# Altium PCB Shuttler_AFE.PcbDoc (part 5 of 5) (continued)
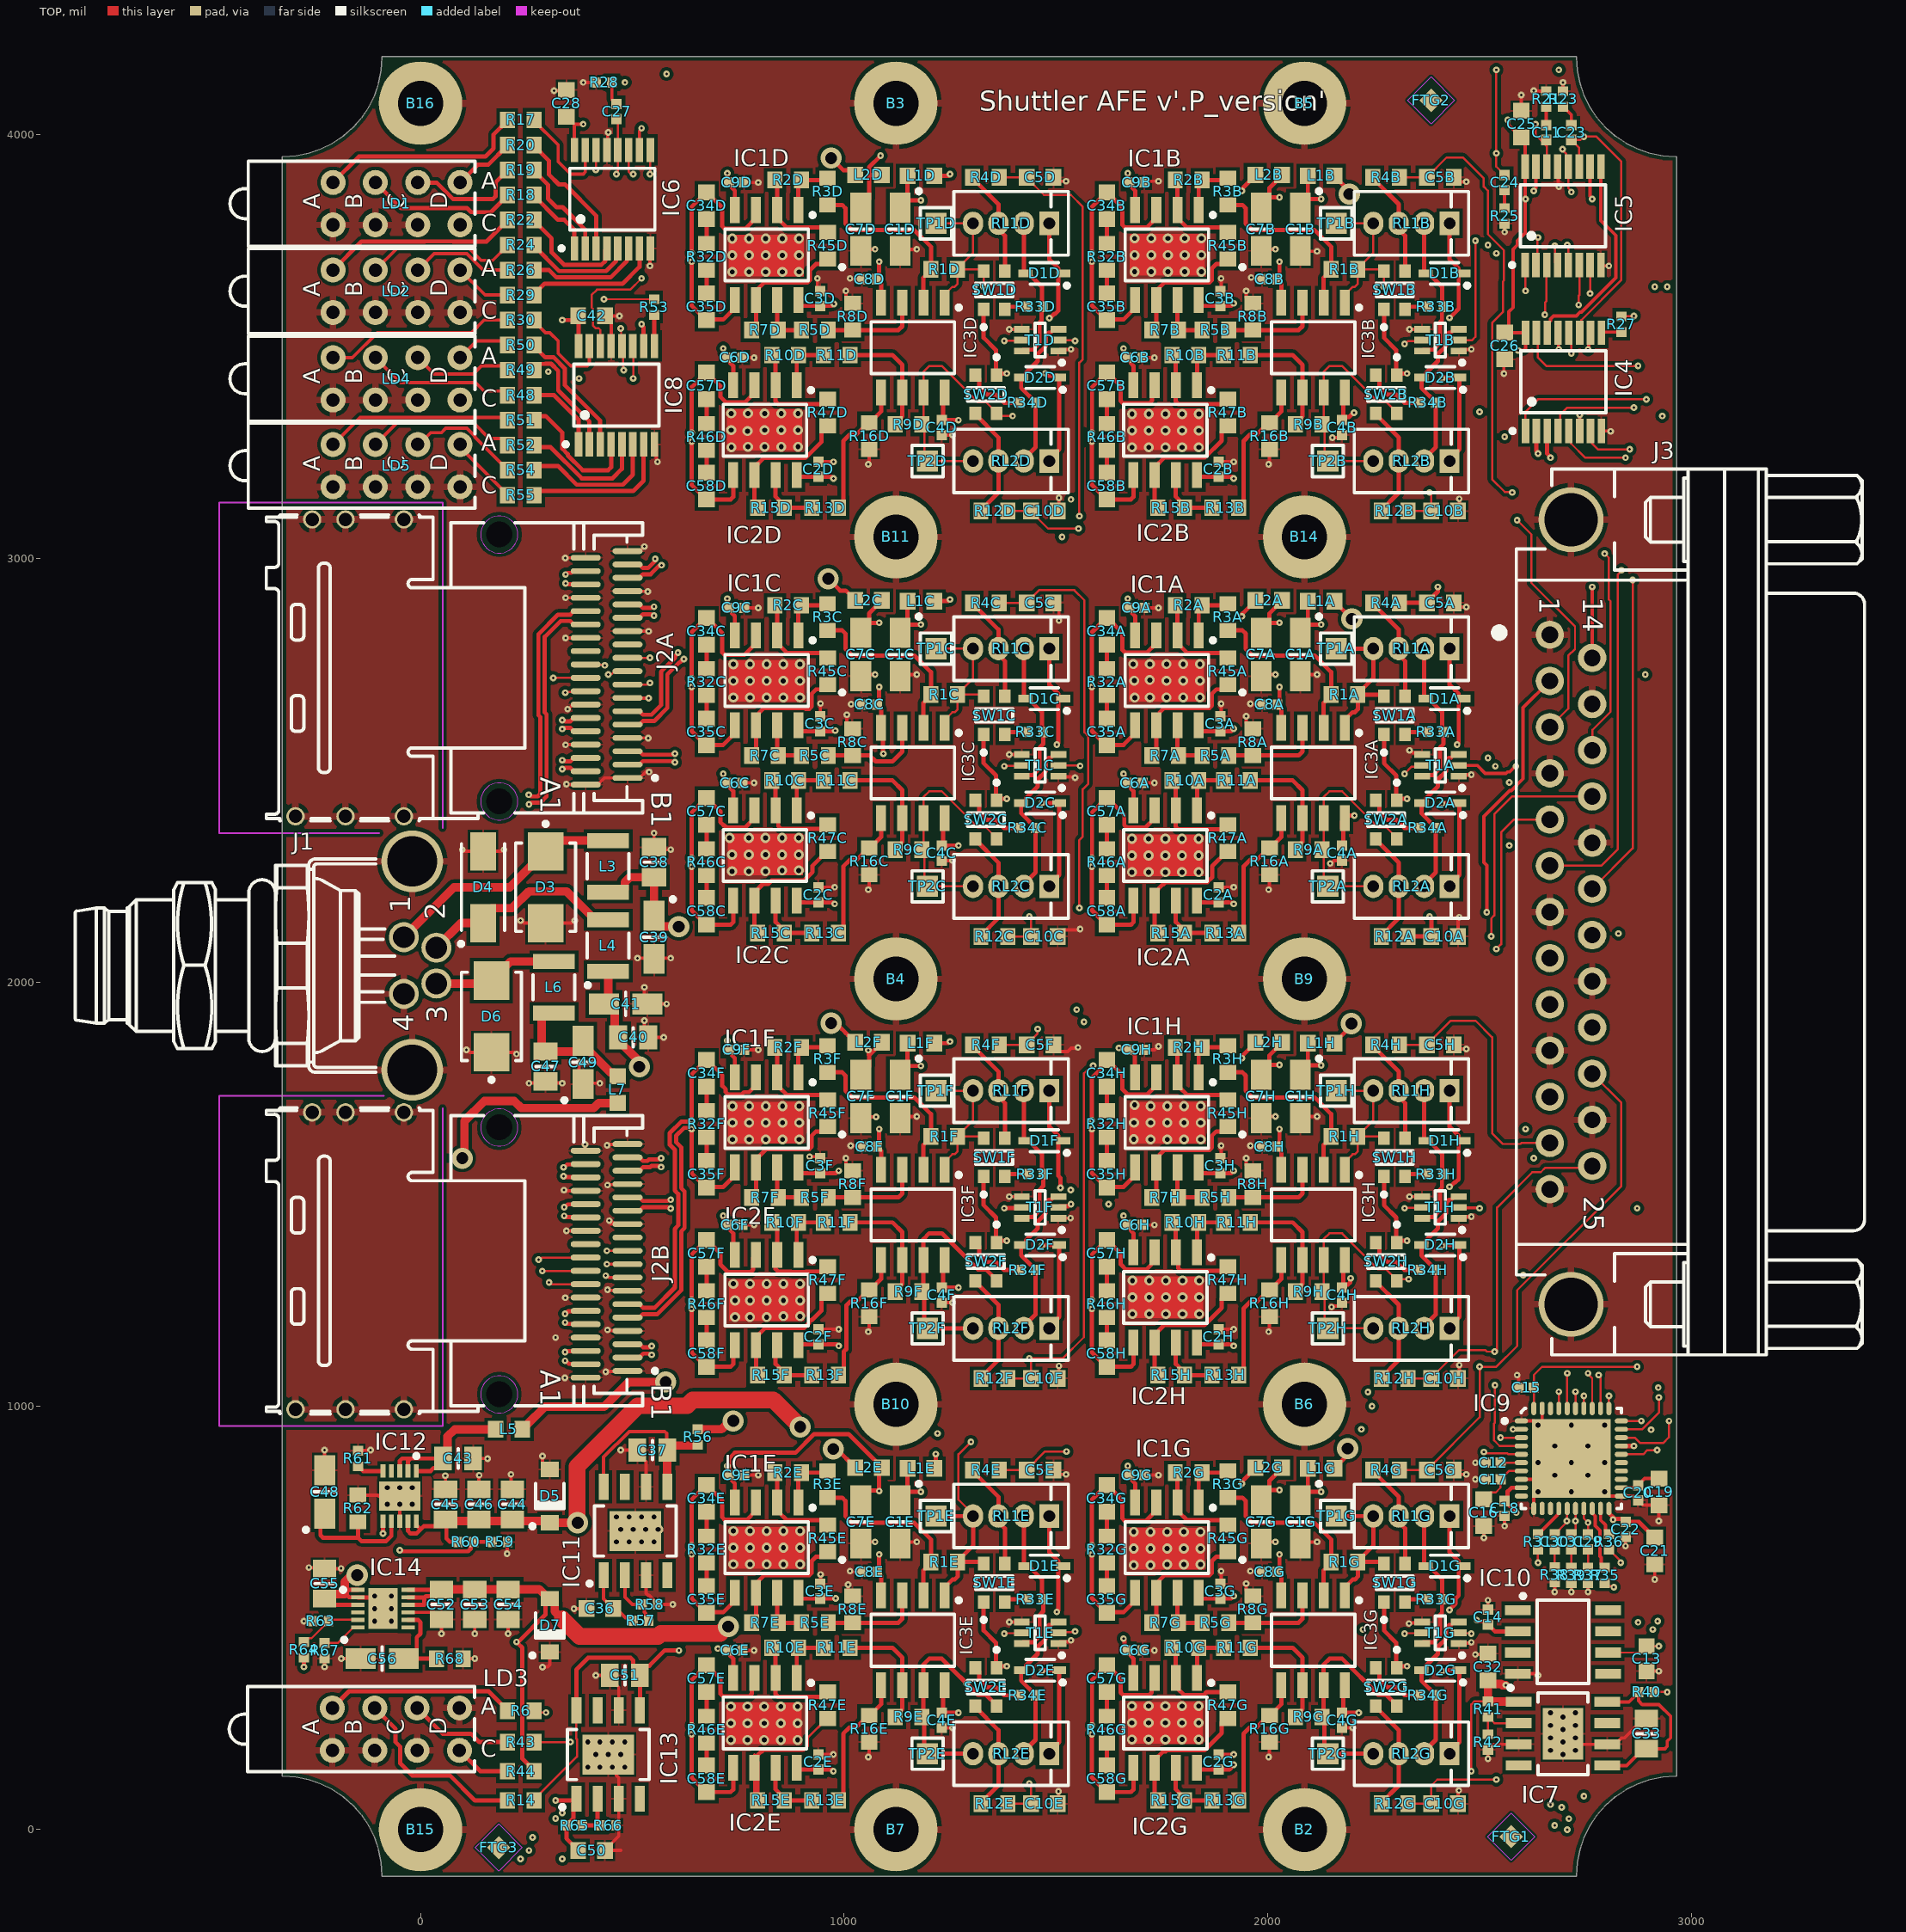
[diagram p0: TOP view]
## Nets (pads, with @x,y where several pads share a name; then routed paths per layer and width w, separated by ;. In a path a pad name is that pad's centre, name@x,y a point inside that pad or via, vN(x,y) a via of type N, cw(c..) or ccw(c..) an arc to the next point about the centre after c; other vN are vias at no path point) (continued)
P12V0_CHC: C1C.1 C2C.1 C3C.1 C4C.1 IC1C.8 IC2C.8 IC3C.8 L1C.1 | length 2013
  TOP w10: IC2C.8@887.99,2192.91 891.92,2188.98 C2C.1@938.97,2188.98 971.95,2188.98 975.89,2185.04 v1(977.44,2185.04) ; IC1C.8@891.92,2606.3 891.92,2599.33 898.74,2592.52 975.92,2592.52 977.34,2593.94 v1(978.9,2593.94) ; C1C.1@1131.88,2824.8 1131.88,2824.88 C1C.1@1149.6,2842.6 ; L1C.1@1149.6,2899.61 C1C.1@1149.6,2842.6 ; v1(1181.1,2844.49) 1151.49,2844.49 C1C.1@1149.6,2842.6 ; IC3C.8@1237.01,2387.8 1233.66,2384.45 1233.66,2326.18 C4C.1@1230.32,2322.83 v1(1269.69,2322.83)
  L2 w10: v1(977.44,2185.04) 995.64,2203.23 995.64,2206.27 1009.84,2220.47 1009.84,2354.33 1206.69,2551.18 1206.69,2728.35 1181.1,2753.94 1181.1,2781.5 ; v1(978.9,2593.94) 1002.28,2593.94 1006.77,2598.43 1033.46,2598.43 1137.8,2702.76 1137.8,2775.64 1143.65,2781.5 1181.1,2781.5 ; v1(1181.1,2844.49) 1181.1,2785.43 1181.1,2781.5 ; v1(1269.69,2322.83) 1269.69,2724.41 1212.6,2781.5 1181.1,2781.5
P12V0_CHD: C1D.1 C2D.1 C3D.1 C4D.1 IC1D.8 IC2D.8 IC3D.8 L1D.1 | length 2008.2
  TOP w10: IC2D.8@887.99,3196.85 891.92,3192.91 C2D.1@938.97,3192.91 970.47,3192.91 974.41,3188.98 v1(974.91,3188.98) ; IC1D.8@891.92,3610.24 891.92,3603.27 898.74,3596.46 C3D.1@942.91,3596.46 969.86,3596.46 974.31,3600.91 v1(975.87,3600.91) ; C1D.1@1131.88,3828.74 1131.88,3828.82 C1D.1@1149.6,3846.54 ; L1D.1@1149.6,3903.54 C1D.1@1149.6,3846.54 ; v1(1181.1,3845.39) 1150.74,3845.39 C1D.1@1149.6,3846.54 ; IC3D.8@1237.01,3391.73 1233.66,3388.39 1233.66,3330.12 C4D.1@1230.32,3326.77 v1(1269.69,3326.77)
  L2 w10: v1(974.91,3188.98) 974.91,3189.47 1009.84,3224.41 1009.84,3358.27 1206.69,3555.12 1206.69,3732.28 1181.1,3757.87 1181.1,3785.43 ; v1(975.87,3600.91) 1032.01,3600.91 1137.8,3706.69 1137.8,3779.58 1143.65,3785.43 1181.1,3785.43 ; v1(1181.1,3845.39) 1181.1,3785.43 ; v1(1269.69,3326.77) 1269.69,3728.35 1212.6,3785.43 1181.1,3785.43
P12V0_CHE: C1E.1 C2E.1 C3E.1 C4E.1 IC1E.8 IC2E.8 IC3E.8 L1E.1 | length 2007.7
  TOP w10: IC2E.8@887.99,145.67 891.92,141.73 C2E.1@938.97,141.73 970.47,141.73 v1(974.41,137.8) ; IC1E.8@891.92,559.06 891.92,552.09 898.74,545.28 979.23,545.28 v1(979.77,545.82) ; C1E.1@1131.88,777.56 1131.88,777.64 C1E.1@1149.6,795.35 ; L1E.1@1149.6,852.36 C1E.1@1149.6,795.35 ; v1(1181.1,797.19) 1151.44,797.19 C1E.1@1149.6,795.35 ; IC3E.8@1237.01,340.55 1233.66,337.2 1233.66,278.94 C4E.1@1230.32,275.59 v1(1269.69,275.59)
  L2 w10: v1(974.41,137.8) 1009.84,173.23 1009.84,307.09 1206.69,503.94 1206.69,681.1 1181.1,706.69 1181.1,734.25 ; v1(979.77,545.82) 980.14,546.18 1002.65,546.18 1007.65,551.18 1033.46,551.18 1137.8,655.51 1137.8,728.39 1143.65,734.25 1181.1,734.25 ; v1(1181.1,797.19) 1181.1,734.25 ; v1(1269.69,275.59) 1269.69,671.3 1206.73,734.25 1181.1,734.25
P12V0_CHF: C1F.1 C2F.1 C3F.1 C4F.1 IC1F.8 IC2F.8 IC3F.8 L1F.1 | length 2020.2
  TOP w10: IC2F.8@891.92,1145.67 981.79,1145.67 985.73,1141.73 v1(987.28,1141.73) ; IC1F.8@891.92,1562.99 891.92,1556.02 898.74,1549.21 979.82,1549.21 985.73,1555.12 v1(987.28,1555.12) ; C1F.1@1131.88,1781.5 1131.88,1781.57 1149.6,1799.29 1149.6,1809.21 L1F.1@1149.6,1856.3 ; C1F.1@1149.6,1810.04 1149.6,1804.45 1151.49,1802.56 v1(1181.1,1802.56) ; IC3F.8@1237.01,1344.49 1233.66,1341.14 1233.66,1282.87 C4F.1@1230.32,1279.53 v1(1269.69,1279.53)
  L2 w10: v1(987.28,1141.73) 987.28,1143.29 1000.56,1156.56 1000.56,1167.88 1009.84,1177.17 1009.84,1311.02 1206.69,1507.87 1206.69,1685.04 1181.1,1710.63 1181.1,1738.19 ; v1(987.28,1555.12) 1033.46,1555.12 1137.8,1659.45 1137.8,1732.33 1143.65,1738.19 1181.1,1738.19 ; v1(1181.1,1802.56) 1181.1,1738.19 ; v1(1269.69,1279.53) 1269.69,1681.1 1212.6,1738.19 1181.1,1738.19
P12V0_CHG: C1G.1 C2G.1 C3G.1 C4G.1 IC1G.8 IC2G.8 IC3G.8 L1G.1 | length 2006.2
  TOP w10: IC2G.8@1832.87,145.67 1836.81,141.73 1909.5,141.73 1918.19,150.43 1918.19,152.07 v1(1919.29,153.17) ; IC1G.8@1836.81,559.06 1836.81,552.09 1843.62,545.28 C3G.1@1887.79,545.28 1913.39,545.28 v1(1919.29,551.18) ; C1G.1@2076.77,777.56 2076.77,777.64 C1G.1@2094.48,795.35 ; L1G.1@2094.48,852.36 C1G.1@2094.48,795.35 ; v1(2125.98,797.24) 2096.37,797.24 C1G.1@2094.48,795.35 ; IC3G.8@2181.89,340.55 2178.54,337.2 2178.54,278.94 C4G.1@2175.2,275.59 v1(2214.57,275.59)
  L2 w10: v1(1919.29,153.17) 1920.85,153.17 1933.83,166.16 1947.65,166.16 1954.72,173.23 1954.72,307.09 2151.57,503.94 2151.57,681.1 2125.98,706.69 2125.98,734.25 ; v1(1919.29,551.18) 1978.35,551.18 2082.68,655.51 2082.68,728.39 2088.54,734.25 2125.98,734.25 ; v1(2125.98,797.24) 2125.98,738.19 2125.98,734.25 ; v1(2214.57,275.59) 2158.66,331.5 2158.66,728.39 2152.8,734.25 2125.98,734.25
P12V0_CHH: C1H.1 C2H.1 C3H.1 C4H.1 IC1H.8 IC2H.8 IC3H.8 L1H.1 | length 1963.7
  TOP w10: IC2H.8@1832.87,1149.61 1836.81,1145.67 C2H.1@1883.85,1145.67 1915.35,1145.67 v1(1919.29,1141.73) ; IC1H.8@1836.81,1562.99 1836.81,1556.02 1843.62,1549.21 C3H.1@1887.79,1549.21 1913.39,1549.21 v1(1919.29,1555.12) ; C1H.1@2076.77,1781.5 2076.77,1781.57 C1H.1@2094.48,1799.29 ; L1H.1@2094.48,1856.3 C1H.1@2094.48,1799.29 ; v1(2125.98,1803.99) 2096.37,1803.99 2094.48,1802.1 C1H.1@2094.48,1799.29 ; C4H.1@2175.2,1279.53 2182.4,1286.73 2189.76,1286.73 2194.62,1291.59 2194.62,1300.31 v1(2195.72,1301.41) ; C4H.1@2178.54,1286.73 2178.54,1341.14 IC3H.8@2181.89,1344.49
  L2 w10: v1(1919.29,1141.73) 1954.72,1177.17 1954.72,1311.02 2151.57,1507.87 2151.57,1685.04 2125.98,1710.63 2125.98,1738.19 ; v1(1919.29,1555.12) 1978.35,1555.12 2082.68,1659.45 2082.68,1732.33 2088.54,1738.19 2125.98,1738.19 ; v1(2125.98,1803.99) 2125.98,1742.13 2125.98,1738.19 ; v1(2195.72,1301.41) 2195.72,1658.41 2156.06,1698.07 2156.06,1722.25 2140.13,1738.19 2125.98,1738.19
P13V0A: C14.1 C44.2 C45.2 C46.2 D5.1 IC10.2 IC12.9 IC12.10 L1A.2 L1B.2 L1C.2 L1D.2 L1E.2 L1F.2 L1G.2 L1H.2 R43.1 R60.2 | length 10690.4
  TOP w5: R43.1@267.72,206.69 v1(353.72,206.69)
  TOP w10: IC12.9@-29.53,728.35 -29.53,704.68 -23.67,698.82 -9.84,698.82 -0.94,707.72 ; IC12.10@-9.84,728.35 -9.84,718.5 -0.94,709.61 -0.94,707.72 ; C45.2@64.98,728.37 C45.2@61.06,724.45 ; R60.2@88.58,679.13 68.9,679.13 61.06,686.97 C45.2@61.06,724.45 ; L1E.2@1212.59,852.36 1216.35,856.12 v1(1216.35,886.43) ; L1F.2@1212.59,1856.3 1246.06,1856.3 v1(1250,1860.24) ; L1C.2@1212.59,2899.61 1246.06,2899.61 v1(1250,2903.54) ; L1D.2@1212.59,3903.54 1246.06,3903.54 v1(1250,3907.48) ; L1G.2@2157.47,852.36 2157.47,853.35 2180.69,876.56 2180.69,891.78 v3(2188.35,899.43) ; L1H.2@2157.47,1856.3 2157.47,1857.28 2197.35,1897.16 v3(2197.35,1902.43) ; L1A.2@2157.47,2899.61 2157.47,2898.62 v3(2198.66,2857.43) ; L1B.2@2157.47,3903.54 2157.47,3902.56 2192.35,3867.69 v3(2192.35,3860.43) ; v1(2493.35,494.43) 2494.9,494.43 2497.88,491.46 2512.48,491.46 2536.02,467.91 IC10.2@2590.55,467.91 ; -0.94,707.72 7.95,716.61 53.23,716.61 C45.2@61.06,724.45
  TOP w19.68: C45.2@64.99,728.36 137.8,728.36 216.54,728.36 305.12,728.36 309.05,724.42 v3(370.85,724.43)
  TOP w39.37: v3(370.85,724.43) 369.35,725.93 369.35,856.83 512.95,1000.43 628.95,1000.43 642.77,1014.25 832.53,1014.25 v3(896.35,950.43)
  L3 w10: v1(2224.41,472.44) 2258.62,506.65 2369.1,506.65 2381.32,494.43 v1(2493.35,494.43)
  L3 w19.68: v1(1250,1860.24) 1263.2,1873.43 1384.35,1873.43 1433.35,1922.43 1473.35,1922.43 1511.91,1883.87 1644.78,1883.87 1656.35,1895.43 1862.35,1895.43 1891.35,1866.43 2156.23,1866.43 2192.23,1902.43 v3(2197.35,1902.43) ; v1(1250,2903.54) 1269.89,2923.43 1554.35,2923.43 1616.64,2861.14 1809.46,2861.14 1836.72,2888.4 2114.2,2888.4 2144.14,2858.46 2197.63,2858.46 v3(2198.66,2857.43) ; v1(1250,3907.48) 1286.95,3944.43 2005.35,3944.43 2047.35,3902.43 2150.35,3902.43 v3(2192.35,3860.43)
  L3 w39.37: v3(896.35,950.43) 1027.54,950.43 1123.54,854.44 1216.35,854.44 ; v1(1216.35,886.43) 1216.35,854.44 ; v3(2188.35,899.43) 2186.31,897.4 2140.71,897.4 2110.74,867.43 1778.35,867.43 1749.35,896.43 1667.35,896.43 1632.35,931.43 1414.35,931.43 1337.35,854.44 1216.35,854.44
  L2 w5: v1(353.72,206.69) 354.33,206.69 364.17,216.54 364.17,413.39 383.86,433.07 383.86,669.29 363.72,689.43 363.72,693.58 369.35,724.43 v3(370.85,724.43)
  L2 w10: v1(1250,3907.48) v1@1250.98,3908.46
  L2 w39.37: v3(2192.35,3860.43) 2192.35,3759.23 2194.88,3756.69 2194.88,3436.9 2243.35,3388.43 2243.35,3317.53 2194.88,3269.06 2194.88,3066.58 2198.66,3062.8 v3(2198.66,2857.43) 2196.63,2855.4 2196.63,2786.85 2196.09,2786.31 2196.09,2753.69 2240.35,2709.43 2240.35,2331.43 2185.75,2276.83 2185.75,2033.66 2197.35,2022.06 v3(2197.35,1902.43) 2195.31,1900.4 2195.31,1834.98 2185.75,1825.42 2185.75,1713.93 2211.52,1688.16 2211.52,1684.59 2228.28,1667.83 2228.28,1266.36 2185.75,1223.83 2185.75,1152.91 2188.35,1150.31 v3(2188.35,899.43) 2188.35,508.5 v1(2224.41,472.44)
P15V0: C38.2 C39.1 L3.2 L5.1 R40.1 R56.1 | length 4695.7
  TOP w5: R40.1@2912.2,324.8 v1(2942.91,324.8)
  TOP w20: L5.1@240.16,944.88 240.16,945.87 248.86,954.57 249.84,954.57 293.71,998.43 433.35,998.43 491.35,1056.43 v3(578.38,1056.43) ; L3.2@442.91,2212.6 474.41,2212.6 482.13,2220.32 482.13,2236.32 493.84,2248.03 C38.2@551.18,2248.03 551.18,2146.65 565.79,2132.05 608.73,2132.05 v3(609.39,2131.39) ; R56.1@654.35,944.94 710.44,944.94 730.07,964.57 v3(738.19,964.57)
  L3 w20: v3(738.19,964.57) 759.21,964.57 1009.35,714.43 1098.35,714.43 1136.35,676.43 1136.35,546.72 1269.68,413.39 1496.06,413.39 1535.43,374.02 1535.43,354.33 1545.28,344.49 1954.21,344.49 1980.47,318.23 2751.74,318.23 2758.31,324.8 v1(2942.91,324.8)
  L2 w20: v3(578.38,1056.43) 580.71,1058.76 580.71,1417.32 544.87,1453.16 544.87,1641.56 563.35,1660.04 563.35,1848.44 551.18,1860.6 551.18,2073.19 v3(609.39,2131.39) ; v3@580.71,1066.07 682.21,964.57 v3(738.19,964.57)
REL_CTRL0: IC5.15 T1A.2 | length 1587.9
  TOP w7.87: T1A.2@2450.79,2511.81 2494.58,2511.81 2513.36,2493.03 2561.93,2493.03 2565.52,2496.62 2571.09,2496.62 2584.31,2509.84 v1(2585.71,2509.84) ; v1(2627.95,3868.11) 2627.95,3870.24 2632.87,3875.16 IC5.15@2632.87,3925.2
  L2 w7.87: v1(2585.71,2509.84) 2585.71,2511.24 2598.93,2524.46 2598.93,2530.03 2620.98,2552.09 2620.98,3254.99 2625.08,3259.09 2625.08,3638.85 2620.98,3642.95 2620.98,3801.02 2627.95,3807.99 v1(2627.95,3868.11)
REL_CTRL1: IC5.1 T1A.5 | length 1541.3
  TOP w5: v1(2322.83,2491.97) 2339.8,2508.94 2359.33,2508.94 T1A.5@2361.22,2510.83 ; IC5.1@2607.28,3692.91 2607.78,3692.42 2607.78,3632.38 v1(2608.27,3631.89)
  L3 w5: v1(2322.83,2491.97) 2344.33,2470.47 2568.9,2470.47 v1(2570.09,2471.67)
  L2 w5: v1(2570.09,2471.67) 2568.9,2472.87 2568.9,2519.69 2608.11,2558.9 2608.11,3260.33 2608.27,3260.48 v1(2608.27,3631.89)
REL_CTRL2: IC5.2 T1B.2 | length 489.5
  TOP w5: T1B.2@2450.79,3515.75 2482.28,3515.75 2490.16,3523.62 v1(2490.16,3750) ; IC5.2@2632.87,3692.91 2636.29,3696.33 2636.29,3756.52 v1(2637.8,3758.03)
  L3 w5: v1(2490.16,3750) 2491.66,3751.51 2507.26,3751.51 2512.72,3756.97 2545.12,3756.97 2548,3754.09 2589.86,3754.09 2593.8,3758.03 v1(2637.8,3758.03)
REL_CTRL3: IC5.3 T1B.5 | length 520.3
  TOP w5: v1(2322.83,3506.81) 2324.39,3506.81 2330.47,3512.89 2359.35,3512.89 T1B.5@2361.22,3514.76 ; v1(2653.73,3575.71) 2654.22,3576.2 2654.22,3604.02 2657.48,3607.29 2657.48,3691.93 IC5.3@2658.46,3692.91
  L3 w5: v1(2322.83,3506.81) 2463.5,3506.81 2532.4,3575.71 v1(2653.73,3575.71)
REL_CTRL4: IC5.4 T1C.2 | length 2442.9
  TOP w5: T1C.2@1505.91,2511.81 1506.4,2511.32 1556.44,2511.32 v1(1556.93,2510.83) ; v1(2677.7,3738.45) 2677.7,3699.27 IC5.4@2684.06,3692.91
  L3 w5: v1(1556.93,2510.83) 1557.42,2510.33 2536.59,2510.33 v1(2537.09,2509.84) ; v1(2539.37,3720.47) 2668.88,3720.47 2675.64,3727.23 2675.64,3736.39 v1(2677.7,3738.45)
  L2 w5: v1(2537.09,2509.84) 2537.09,2511.4 2539.37,2513.68 v1(2539.37,3720.47)
REL_CTRL5: IC5.5 T1C.5 | length 2650.3
  TOP w5: v1(1377.95,2509.84) 1378.94,2510.83 1416.34,2510.83 1417.32,2509.84 T1C.5@1419.29,2511.81 ; v1(2706.69,3740.16) 2706.69,3738.6 2709.65,3735.65 IC5.5@2709.65,3692.91
  L3 w5: v1(1377.95,2509.84) 1437.01,2509.84 1456.69,2529.53 v1(2519.69,2529.53) ; v1(2519.69,3740.16) 2645.2,3740.16 2658.86,3753.82 2693.03,3753.82 v1(2706.69,3740.16)
  L2 w5: v1(2519.69,2529.53) v1(2519.69,3740.16)
REL_CTRL6: IC5.6 T1D.2 | length 1359.1
  TOP w5: T1D.2@1505.91,3515.75 1541.75,3515.75 1543.72,3513.78 v1(1545.28,3513.78) ; v1(2733.82,3598.71) 2733.82,3620.42 2735.73,3622.33 2735.73,3692.42 IC5.6@2735.24,3692.91
  L3 w5: v1(1545.28,3513.78) 2306.03,3513.78 2316.78,3524.53 2441.85,3524.53 2509.84,3592.52 2710.19,3592.52 2714.88,3597.21 2732.31,3597.21 v1(2733.82,3598.71)
REL_CTRL7: IC5.7 T1D.5 | length 1539.4
  TOP w5: v1(1377.95,3513.78) 1378.94,3514.76 1416.34,3514.76 1417.32,3513.78 T1D.5@1419.29,3515.75 ; v1(2760.83,3625.72) IC5.7@2760.83,3692.91
  L3 w5: v1(1377.95,3513.78) 1517.23,3513.78 1546.75,3543.31 2285.22,3543.31 2348.37,3606.46 2622.5,3606.46 2641.77,3625.72 v1(2760.83,3625.72)
REL_CTRL8: IC4.15 T1E.2 | length 4675.2
  TOP w5: T1E.2@1505.91,464.57 1507.82,466.49 1543.77,466.49 v1(1545.28,467.99) ; IC4.15@2633.86,3533.46 2637.8,3529.53 2637.8,3474.41 2657.48,3454.72 v1(2874.02,3454.72)
  L3 w5: v1(1545.28,467.99) 1545.51,467.76 1668.54,467.76 1702.76,501.97 2066.93,501.97 2130.08,565.12 2535.28,565.12 2564.8,535.59 2845.5,535.59 2864.45,554.54 2864.45,868.47 2903.54,907.57 2903.54,942.91 v1(2904.53,943.89)
  L2 w5: v1(2874.02,3454.72) 2874.02,3368.2 2885.45,3356.76 2885.45,2975.42 2886.72,2974.16 2886.72,2826.48 2875.61,2815.37 2875.61,2681.9 2895.3,2662.22 2895.3,1576.88 2897.09,1575.08 2897.09,1082.01 2886.35,1071.26 2886.35,1006.94 2907.09,986.2 2907.09,954.06 2906.59,953.55 2906.59,945.95 v1(2904.53,943.89)
REL_CTRL9: IC4.1 T1E.5 | length 4934.7
  TOP w5: v1(1377.95,462.6) 1378.94,463.58 1416.34,463.58 1417.32,462.6 T1E.5@1419.29,464.57 ; IC4.1@2608.27,3301.18 2608.27,3346.46 2637.8,3375.98 v1(2893.7,3375.98)
  L3 w5: v1(1377.95,462.6) 1407.48,433.07 1527.39,433.07 1529.58,430.89 1615.29,430.89 1617.48,433.07 1702.76,433.07 1742.13,472.44 2076.77,472.44 2155.51,551.18 2440.94,551.18 2470.47,521.65 2559.06,521.65 2574.11,506.59 2905.89,506.59 v1(2920.35,492.13)
  L2 w5: v1(2893.7,3375.98) 2895.45,3374.23 2895.45,2979.57 2901.04,2973.97 2901.04,2738.06 2915.3,2723.81 2915.3,1585.16 2917.09,1583.36 2917.09,1073.73 2906.35,1062.98 2906.35,1015.23 2927.09,994.48 2927.09,957.22 2938.6,945.71 2938.6,594.03 2920.35,575.78 v1(2920.35,492.13)
REL_CTRL10: IC4.2 T1F.2 | length 3024.5
  TOP w10: T1F.2@1505.91,1468.5 1508.78,1471.38 1528.88,1471.38 1533.88,1476.38 v1(1535.43,1476.38) ; v1@2633.86,3253.52 IC4.2@2633.86,3301.18
  L3 w10: v1(1535.43,1476.38) v1(1624.02,1476.38) ; v1(1535.43,3139.76) 1564.96,3169.29 2066.93,3169.29 2086.61,3188.98 2578.74,3188.98 v1(2637.8,3248.03)
  L2 w10: v1(1535.43,3139.76) 1535.43,3061.02 1555.12,3041.34 1555.12,2578.74 1574.8,2559.06 1574.8,2342.52 1564.96,2332.68 1564.96,2263.78 1574.8,2253.94 1574.8,1938.98 1624.02,1889.76 v1(1624.02,1476.38)
REL_CTRL11: IC4.3 T1F.5 | length 3116.9
  TOP w10: v1(1377.95,1466.54) 1378.94,1467.52 1416.34,1467.52 1417.32,1466.54 T1F.5@1419.29,1468.5 ; IC4.3@2659.45,3301.18 2659.45,3247.62 2667.32,3239.74 v1(2667.32,3238.19)
  L3 w10: v1(1377.95,1466.54) 1495.45,1466.54 1533.86,1504.94 1533.86,1508.52 v1(1534.96,1509.62) ; v1(1514.24,3051.35) 1513.94,3051.65 1513.94,3084.49 1583.74,3154.29 2081.46,3154.29 2101.14,3173.98 2603.11,3173.98 v1(2667.32,3238.19)
  L2 w10: v1(1514.24,3051.35) 1540.12,3025.47 1540.12,2653.93 1539.06,2652.87 1539.06,2502.09 1527.4,2490.44 1527.4,2269.69 1532.8,2264.29 1532.8,2172.24 1539.06,2165.98 1539.06,1950.91 1530.96,1942.82 1530.96,1841.71 1550.43,1822.24 1550.43,1707.78 1534.96,1692.31 v1(1534.96,1509.62)
REL_CTRL12: IC4.4 T1G.2 | length 3630.7
  TOP w5: T1G.2@2450.79,464.57 2451.77,463.58 2479.33,463.58 v1(2480.32,462.6) ; IC4.4@2685.04,3301.18 2689.96,3306.1 2689.96,3339.57 2706.69,3356.3 v1(2864.17,3356.3)
  L3 w5: v1(2480.32,462.6) 2481.82,461.09 2491.66,461.09 2500,452.76 2657.48,452.76 2687.01,482.28 2844.49,482.28 2854.33,472.44 v1(2909.07,472.44)
  L2 w5: v1(2864.17,3356.3) 2864.17,3297.24 2874.02,3287.4 2874.02,2972.72 2876.72,2970.01 2876.72,2830.62 2865.61,2819.51 2865.61,2675.73 2883.86,2657.48 2883.86,1574.17 2887.09,1570.94 2887.09,1086.15 2876.35,1075.4 2876.35,1002.8 2897.09,982.05 2897.09,958.2 2889.16,950.26 2889.16,936.27 2900.98,924.44 2900.98,697.13 2898.01,694.16 2898.01,541.67 2899.39,540.29 2899.39,484.5 2909.07,474.81 v1(2909.07,472.44)
REL_CTRL13: IC4.5 T1G.5 | length 3575.7
  TOP w5: v1(2322.83,462.6) 2323.82,463.58 2361.22,463.58 2362.2,462.6 T1G.5@2364.17,464.57 ; IC4.5@2710.63,3301.18 2715.55,3296.26 2715.55,3271.81 2749.17,3238.19 v1(2844.33,3238.19)
  L3 w5: v1(2322.83,462.6) 2408.3,462.6 2424.76,479.06 2508.1,479.06 2509.03,480 2596.59,480 2611.75,495.16 2865.98,495.16 2871.89,489.25 v1(2874.02,489.25)
  L2 w5: v1(2844.33,3238.19) 2844.49,3238.03 2844.49,3011.81 2814.96,2982.28 2814.96,2962.6 2827.52,2950.04 2827.52,2139 2856.35,2110.17 2856.35,937.11 2880.98,912.48 2880.98,705.41 2874.02,698.44 v1(2874.02,489.25)
REL_CTRL14: IC4.6 T1H.2 | length 2207.4
  TOP w7.87: T1H.2@2450.79,1468.5 2451.77,1467.52 2499.02,1467.52 v1(2500,1466.54) ; IC4.6@2736.22,3301.18 v1(2736.22,3339.49)
  L3 w7.87: v1(2500,3346.46) 2727.12,3346.46 2734.09,3339.49 v1(2736.22,3339.49)
  L2 w7.87: v1(2500,1466.54) v1(2500,3346.46)
REL_CTRL15: IC4.7 T1H.5 | length 2551.9
  TOP w5: v1(2322.83,1466.54) 2323.82,1467.52 2361.22,1467.52 2362.2,1466.54 T1H.5@2364.17,1468.5 ; IC4.7@2761.81,3301.18 2765.67,3297.32 2765.67,3271.37 2779.16,3257.87 v1(2854.33,3257.87)
  L3 w5: v1(2322.83,1466.54) 2440.94,1466.54 2470.47,1496.06 2500,1496.06 2509.84,1486.22 2549.21,1486.22 2568.9,1466.54 v1(2871.72,1466.54)
  L2 w5: v1(2854.33,3257.87) 2856.39,3255.82 2856.39,3247.87 2859.7,3244.56 2859.7,2975.76 2845.97,2962.03 2845.97,2941.28 2851.3,2935.95 2851.3,2514.13 2871.72,2493.71 v1(2871.72,1466.54)
pads on no net: FTG1.1 FTG2.1 FTG3.1 IC7.4 IC7.7 IC9.10 IC9.12 IC9.13 IC9.23 IC9.24 IC9.25 IC9.38 IC10.1 IC10.3 IC10.5 IC10.7 IC10.8 IC11.4 IC11.7 IC12.4 IC13.4 IC13.7 IC14.4 IC14.7 J2A.MTG1 J2A.MTG2 J2B.MTG1 J2B.MTG2

## Polygon pours and split planes (outlines as drawn)
GND on BOTTOM "O8_Vs2" (solid, remove dead copper, pour order 0): -344.49,4192.91 2972.44,4192.91 2972.44,-127.95 -344.49,-127.95 -344.49,4163.39 -354.33,4173.23
GND on L2 "NONET_L06_P-001" (solid, remove dead copper, pour order 1): -90.85,4183.07 -89.72,4184.2 2728.65,4184.2 2728.65,4183.07 2962.6,3949.12 2962.6,123.41 2728.65,-110.54 2726.38,-108.27 -90.85,-108.27 -327.07,127.95 -327.07,3949.12
GND on L3 "NONET_L06_P-001" (solid, remove dead copper, pour order 2): -90.85,4185.34 2728.65,4185.34 2964.87,3949.12 2964.87,125.68 2963.73,125.68 2727.51,-110.54 -90.85,-110.54 -327.07,125.68 -327.07,3949.12
GND on TOP "NONET_L06_P-001" (solid, remove dead copper, pour order 3): -90.85,4184.2 2729.78,4184.2 2964.87,3949.12 2964.87,125.68 2728.65,-110.54 -90.85,-110.54 -327.07,125.68 -325.94,126.82 -325.94,3949.12

## Keep-outs
Keep-Out Layer:
  circle w1.97: c185.83,3056.9 r43.78
  circle w1.97: c185.83,2426.98 r43.78
  circle w1.97: c185.83,1657.3 r43.78
  circle w1.97: c185.83,1027.38 r43.78

## Other copper
TOP:
  rectangle net GND: 1674.35,3668.01 1851.51,3766.43
  rectangle net GND: 1671.35,3256.01 1848.51,3354.43
  rectangle net GND: 728.57,1199.79 905.73,1298.21
  rectangle net GND: 1669.45,202.85 1846.61,301.28
  rectangle net GND: 1673.76,614.22 1850.93,712.65
  rectangle net GND: 1670.76,1207.22 1847.93,1305.65
  rectangle net GND: 1674.23,1619.17 1851.39,1717.6
  rectangle net GND: 1669.45,2250.09 1846.61,2348.52
  rectangle net GND: 1672.39,2662.48 1849.55,2760.91
  rectangle net GND: 722.57,201.85 899.73,300.28
  rectangle net GND: 728.5,616.24 905.67,714.66
  rectangle net GND: 726.5,1619.17 903.67,1717.6
  rectangle net GND: 725.57,2252.09 902.73,2350.52
  rectangle net GND: 728.39,2662.22 905.56,2760.65
  rectangle net GND: 723.35,3255.01 900.51,3353.43
  rectangle net GND: 727.35,3666.01 904.51,3764.43
L3:
  rectangle net GND: 1658.35,196.43 1855.2,314.54
  rectangle net GND: 1663.39,600.39 1860.24,718.5
  rectangle net GND: 1663.35,1197.43 1860.2,1315.54
  rectangle net GND: 1664.39,1609.33 1861.24,1727.44
  rectangle net GND: 1659.35,2239.32 1856.2,2357.43
  rectangle net GND: 1662.54,2652.64 1859.39,2770.75
  rectangle net GND: 1659.35,3244.32 1856.2,3362.43
  rectangle net GND: 714.5,192.32 911.35,310.43
  rectangle net GND: 717.5,605.43 914.35,723.54
  rectangle net GND: 718.35,1191.32 915.2,1309.43
  rectangle net GND: 718.35,1610.32 915.2,1728.43
  rectangle net GND: 715.72,2242.25 912.57,2360.36
  rectangle net GND: 718.35,2655.32 915.2,2773.43
  rectangle net GND: 713.72,3244.19 910.57,3362.3
  rectangle net GND: 1663.35,3658.32 1860.2,3776.43
  rectangle net GND: 717.66,3656.57 914.51,3774.69
L2:
  rectangle net GND: 1664.02,2652.2 1860.87,2770.32
  rectangle net GND: 1659.55,2241.73 1856.4,2359.84
  rectangle net GND: 1665.87,1608.9 1862.72,1727.01
  rectangle net GND: 1662.4,1196.94 1859.25,1315.06
  rectangle net GND: 1665.4,603.94 1862.25,722.06
  rectangle net GND: 1661.09,192.57 1857.94,310.69
  rectangle net GND: 714.2,191.57 911.06,309.68
  rectangle net GND: 720.14,605.96 916.99,724.07
  rectangle net GND: 720.2,1189.51 917.06,1307.62
  rectangle net GND: 717.2,2241.82 914.06,2359.93
  rectangle net GND: 718.14,1608.9 914.99,1727.01
  rectangle net GND: 720.03,2651.94 916.88,2770.06
  rectangle net GND: 717.23,3243.18 914.08,3361.29
  rectangle net GND: 1659.35,3245.32 1856.2,3363.43
  rectangle net GND: 1664.35,3659.32 1861.2,3777.43
  rectangle net GND: 717.66,3656.57 914.51,3774.69

## Silkscreen, mask and mechanical layers (free items; w line width, h text height)
TopOverlay:
  text "Shuttler AFE v'.P_version'" at 1319.35,4042.43 h80
Outline:
  drawing of 355 lines, arcs and shapes, not listed
  text "Layer" at 212.85,6581.43 h60
  text "Name" at 622.76,6581.43 h60
  text "Material" at 1492.52,6581.43 h60
  text "Thickness" at 2352.29,6581.43 h60
  text "Constant" at 3002.13,6581.43 h60
  text "Board Layer Stack" at 3571.99,6581.43 h60
  text "TopOverlay" at 622.76,6461.43 h60
  text "TopSolder" at 622.76,6341.43 h60
  text "Solder Resist" at 1492.52,6341.43 h60
  text "0.010mm" at 2352.29,6341.43 h60
  text "3.5" at 3002.13,6341.43 h60
  text "1" at 212.85,6221.43 h60
  text "TOP" at 622.76,6221.43 h60
  text "0.035mm" at 2352.29,6221.43 h60
  text "Dielectric1" at 622.76,6101.43 h60
  text "FR-4" at 1492.52,6101.43 h60
  text "0.360mm" at 2352.29,6101.43 h60
  text "4.8" at 3002.13,6101.43 h60
  text "2" at 212.85,5981.43 h60
  text "L2" at 622.76,5981.43 h60
  text "0.035mm" at 2352.29,5981.43 h60
  text "Dielectric 3" at 622.76,5861.43 h60
  text "FR-4" at 1492.52,5861.43 h60
  text "0.800mm" at 2352.29,5861.43 h60
  text "4.8" at 3002.13,5861.43 h60
  text "3" at 212.85,5741.43 h60
  text "L3" at 622.76,5741.43 h60
  text "CF-004" at 1492.52,5741.43 h60
  text "0.035mm" at 2352.29,5741.43 h60
  text "Dielectric5" at 622.76,5621.43 h60
  text "FR-4" at 1492.52,5621.43 h60
  text "0.360mm" at 2352.29,5621.43 h60
  text "4.8" at 3002.13,5621.43 h60
  text "4" at 212.85,5501.43 h60
  text "BOTTOM" at 622.76,5501.43 h60
  text "0.035mm" at 2352.29,5501.43 h60
  text "BottomSolder" at 622.76,5381.43 h60
  text "Solder Resist" at 1492.52,5381.43 h60
  text "0.010mm" at 2352.29,5381.43 h60
  text "3.5" at 3002.13,5381.43 h60
  text "BottomOverlay" at 622.76,5261.43 h60
  text "Total board thickness:" at 212.85,5141.43 h60
  text "1.680mm" at 2352.29,5141.43 h60
Mechanical 2:
  lines w7.87: -413.39,-452.76 -413.39,4005.91 ; 0,-147.64 0,4094.49 ; 0,0 2588.58,0 ; 0,4074.8 2391.73,4074.8 ; 1122.05,-255.91 1122.05,4005.91 ; 2086.61,-137.8 2086.61,4074.8
Mechanical 3:
  lines w3.94: -327.07,125.68 -327.07,3949.12 -324.8,3949.12 -294.27,3951.12 -264.25,3957.09 -235.27,3966.93 -207.83,3980.46 -182.38,3997.46 -159.38,4017.64 -139.2,4040.65 -122.2,4066.09 -108.66,4093.54 -98.82,4122.52 -92.85,4152.53 -90.85,4183.07 -90.85,4185.34 2728.65,4185.34 2728.65,4183.07 2730.65,4152.53 2736.62,4122.52 2746.45,4093.54 2759.99,4066.09 2776.99,4040.65 2797.17,4017.64 2820.18,3997.46 2845.62,3980.46 2873.07,3966.93 2902.05,3957.09 2932.06,3951.12 2962.6,3949.12 2964.87,3949.12 2964.87,125.68 2962.6,125.68 2932.06,123.68 2902.05,117.71 2873.07,107.87 2845.62,94.34 2820.18,77.34 2797.17,57.16 2776.99,34.15 2759.99,8.71 2746.45,-18.74 2736.62,-47.72 2730.65,-77.73 2728.65,-108.27 2728.65,-110.54 -90.85,-110.54 -90.85,-108.27 -92.85,-77.73 -98.82,-47.72 -108.66,-18.74 -122.2,8.71 -139.2,34.15 -159.38,57.16 -182.38,77.34 -207.83,94.34 -235.27,107.87 -264.25,117.71 -294.27,123.68 -324.8,125.68 -327.07,125.68
  lines w7.87: -255.91,3513.78 -255.91,3651.57 -226.38,3681.1 118.11,3681.1 137.8,3661.42 137.8,3503.94 118.11,3484.25 -226.38,3484.25 -255.91,3513.78 ; -254.92,3294.29 -225.39,3264.76 119.09,3264.76 138.78,3284.45 138.78,3441.93 119.09,3461.61 -225.39,3461.61 -254.92,3432.09 -254.92,3294.29 ; 1248.03,709.65 1248.03,761.81 1270.67,784.45 1500.98,784.45 1514.76,770.67 1514.76,697.83 1504.92,687.99 1269.69,687.99 1248.03,709.65

## Text inside footprints (layer, text, board x,y; h text height)
J1: TopOverlay "1" at -24.69,2163.58 h47.24 r90; TopOverlay "2" at 57.99,2147.83 h47.24 r90; TopOverlay "3" at 61.93,1903.74 h47.24 r90; TopOverlay "4" at -16.81,1884.06 h47.24 r90; Mechanical 14 "1" at -24.69,2163.58 h47.24 r90; Mechanical 14 "2" at 57.99,2147.83 h47.24 r90; Mechanical 14 "3" at 61.93,1903.74 h47.24 r90; Mechanical 14 "4" at -16.81,1884.06 h47.24 r90
J2A: TopOverlay "A1" at 283.66,2484.25 h47.24 r270; TopOverlay "B1" at 545.47,2450.79 h47.24 r270; Mechanical 14 "A1" at 283.66,2484.25 h47.24 r270; Mechanical 14 "B1" at 545.47,2450.79 h47.24 r270; Mechanical 8 "PCB Edge" at -454.53,2900.59 h47.24 r270
J2B: TopOverlay "B1" at 545.47,1051.18 h47.24 r270; TopOverlay "A1" at 283.66,1084.65 h47.24 r270; Mechanical 14 "B1" at 545.47,1051.18 h47.24 r270; Mechanical 14 "A1" at 283.66,1084.65 h47.24 r270; Mechanical 8 "PCB Edge" at -454.53,1500.99 h47.24 r270
J3: TopOverlay "25" at 2746.06,1495.08 h47.24 r270; TopOverlay "14" at 2744.09,2908.46 h47.24 r270; TopOverlay "1" at 2641.73,2909.45 h47.24 r270; Mechanical 14 "25" at 2746.06,1495.08 h47.24 r270; Mechanical 14 "14" at 2744.09,2908.46 h47.24 r270; Mechanical 14 "1" at 2641.73,2909.45 h47.24 r270
LD1: TopOverlay "C" at 143.31,3772.8 h39.37; TopOverlay "A" at 143.31,3872.8 h39.37; TopOverlay "A" at -237.44,3824.76 h39.37 r90; TopOverlay "B" at -137.44,3824.76 h39.37 r90; TopOverlay "C" at -37.44,3824.76 h39.37 r90; TopOverlay "D" at 62.56,3824.76 h39.37 r90; Mechanical 14 "A" at 143.31,3872.8 h39.37; Mechanical 14 "C" at 143.31,3772.8 h39.37; Mechanical 14 "A" at -237.44,3824.76 h39.37 r90; Mechanical 14 "B" at -137.44,3824.76 h39.37 r90; Mechanical 14 "C" at -37.44,3824.76 h39.37 r90; Mechanical 14 "D" at 62.56,3824.76 h39.37 r90
LD2: TopOverlay "C" at 143.31,3566.1 h39.37; TopOverlay "A" at 143.31,3666.1 h39.37; TopOverlay "A" at -237.44,3618.07 h39.37 r90; TopOverlay "B" at -137.44,3618.07 h39.37 r90; TopOverlay "C" at -37.44,3618.07 h39.37 r90; TopOverlay "D" at 62.56,3618.07 h39.37 r90; Mechanical 14 "A" at 143.31,3666.1 h39.37; Mechanical 14 "C" at 143.31,3566.1 h39.37; Mechanical 14 "A" at -237.44,3618.07 h39.37 r90; Mechanical 14 "B" at -137.44,3618.07 h39.37 r90; Mechanical 14 "C" at -37.44,3618.07 h39.37 r90; Mechanical 14 "D" at 62.56,3618.07 h39.37 r90
LD3: TopOverlay "D" at 60.98,223.98 h39.37 r90; TopOverlay "C" at -39.02,223.98 h39.37 r90; TopOverlay "B" at -139.02,223.98 h39.37 r90; TopOverlay "A" at -239.02,223.98 h39.37 r90; TopOverlay "A" at 141.73,272.01 h39.37; TopOverlay "C" at 141.73,172.01 h39.37; Mechanical 14 "D" at 60.98,223.98 h39.37 r90; Mechanical 14 "C" at -39.02,223.98 h39.37 r90; Mechanical 14 "B" at -139.02,223.98 h39.37 r90; Mechanical 14 "A" at -239.02,223.98 h39.37 r90; Mechanical 14 "C" at 141.73,172.01 h39.37; Mechanical 14 "A" at 141.73,272.01 h39.37
LD4: TopOverlay "C" at 143.31,3359.41 h39.37; TopOverlay "A" at 143.31,3459.41 h39.37; TopOverlay "A" at -237.44,3411.38 h39.37 r90; TopOverlay "B" at -137.44,3411.38 h39.37 r90; TopOverlay "C" at -37.44,3411.38 h39.37 r90; TopOverlay "D" at 62.56,3411.38 h39.37 r90; Mechanical 14 "A" at 143.31,3459.41 h39.37; Mechanical 14 "C" at 143.31,3359.41 h39.37; Mechanical 14 "A" at -237.44,3411.38 h39.37 r90; Mechanical 14 "B" at -137.44,3411.38 h39.37 r90; Mechanical 14 "C" at -37.44,3411.38 h39.37 r90; Mechanical 14 "D" at 62.56,3411.38 h39.37 r90
LD5: TopOverlay "C" at 143.31,3154.29 h39.37; TopOverlay "A" at 143.31,3254.29 h39.37; TopOverlay "A" at -237.44,3206.26 h39.37 r90; TopOverlay "B" at -137.44,3206.26 h39.37 r90; TopOverlay "C" at -37.44,3206.26 h39.37 r90; TopOverlay "D" at 62.56,3206.26 h39.37 r90; Mechanical 14 "A" at 143.31,3254.29 h39.37; Mechanical 14 "C" at 143.31,3154.29 h39.37; Mechanical 14 "A" at -237.44,3206.26 h39.37 r90; Mechanical 14 "B" at -137.44,3206.26 h39.37 r90; Mechanical 14 "C" at -37.44,3206.26 h39.37 r90; Mechanical 14 "D" at 62.56,3206.26 h39.37 r90